# Altium PCB PCB_LU_V2.4PcbDoc.PcbDoc (part 2 of 3)
Units mm, origin at the board's own origin, x right, y up, seen from the top; angles counter-clockwise.
Board outline 123.01 x 87.99 mm, 2 copper layers (Top Layer, Bottom Layer); 238 components, 147 nets, 677 pads, 1111 vias.
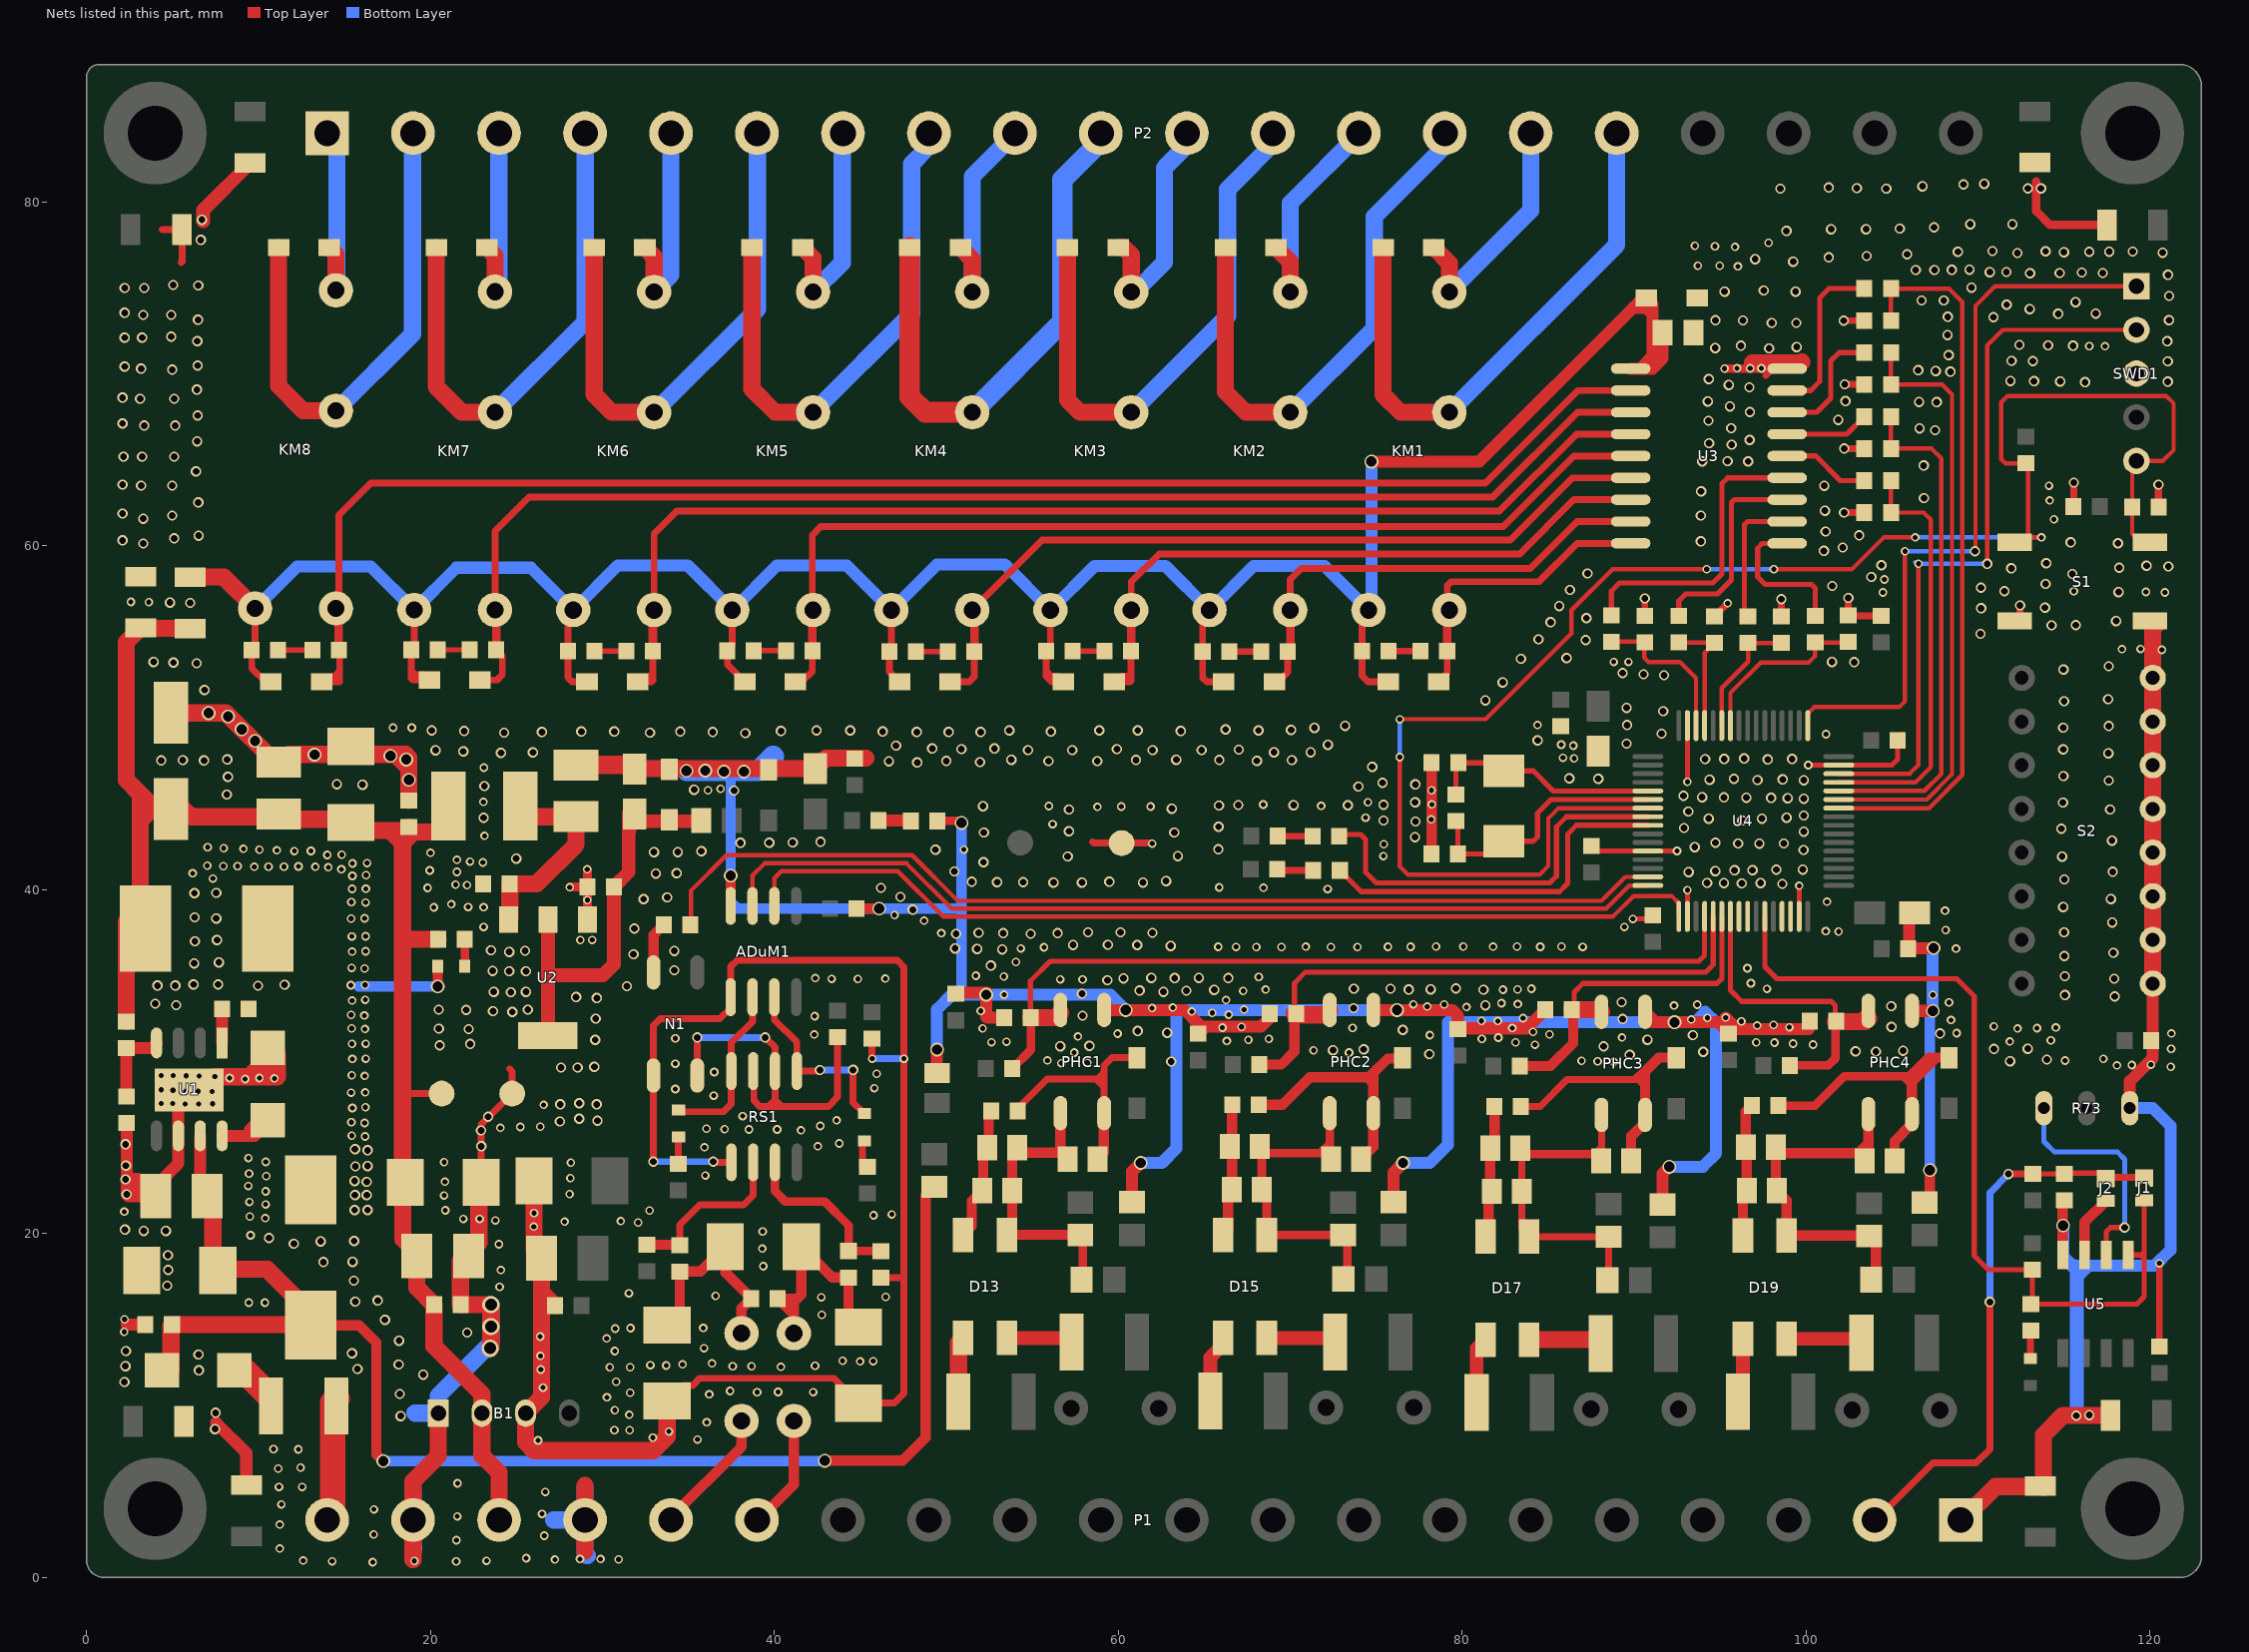
[diagram p2: the nets of this part, all layers, seen from the top]

## Via types
v1: diameter 0.6, hole 0.4, Top Layer to Bottom Layer, 594 vias
v2: diameter 0.5, hole 0.3, Top Layer to Bottom Layer, 446 vias
v3: diameter 0.8, hole 0.6, Top Layer to Bottom Layer, 68 vias
v4: diameter 1, hole 0.7, Top Layer to Bottom Layer, 3 vias

## Nets (pads, with @x,y where several pads share a name; then routed paths per layer and width w, separated by ;. In a path a pad name is that pad's centre, name@x,y a point inside that pad or via, vN(x,y) a via of type N, cw(c..) or ccw(c..) an arc to the next point about the centre after c; other vN are vias at no path point) (continued)
GNDIN: ADuM1.4 B1.1 C2.1 C3.1 C4.1 C5.1 C6.2 C8.1 C10.1 C11.1 C12.2 C16.2 C17.2 C18.2 C22.2 C25.2 C27.2 C30.2 C32.1 C33.1 C34.1 C35.1 C36.1 C37.1 C38.1 C39.1 C40.1 C41.1 C42.1 C43.1 C44.1 D2.1 D3.1 D4.K D5.1 D6.1 D7.1 D8.1 D10.K D27.1 E1.2 E2.2 E3.2 E4.2 E5.2 E6.2 E7.2 E9.2 E10.2 E11.2 EC1.2 EC2.2 EC3.2 EC4.2 ER1.2 ER2.2 ER3.2 ER4.2 GNDIN1.1 P1.1 P1.17 P1.19 PHC1.3 PHC2.3 PHC3.3 PHC4.3 R3.2 R16.1 R25.1 R32.1 R39.1 R42.2 R45.2 R47.2 R50.2 R53.2 R55.2 R58.2 R61.2 R66.1 R69.1 R73.1 S1.1 S1.4 S2.9 S2.10 S2.11 S2.12 S2.13 S2.14 S2.15 S2.16 SWD1.3 U1.6 U1.9 U2.1 U3.9 U4.12 U4.18 U4.31 U4.47 U4.63 U5.4 VSS1.1 | length 463.6
  Top Layer w0.3: C43.1@87.51,42.632 87.894,42.248 U4.12@90.81,42.248 92.494,42.248 v2(92.504,42.258) ; v2(89.934,38.302) 91.024,38.302 91.252,38.53 C37.1@91.286,38.496 ; U4.18@93.11,38.448 v2(93.11,39.982) ; v2(93.11,46.276) U4.63@93.11,49.548 ; U4.31@99.61,38.448 v2(99.61,40.23) ; v2(100.142,47.248) U4.47@101.91,47.248 105.002,47.248 105.336,47.582 C39.1@105.336,48.684 ; C39.1@105.54,48.984 C39.1@105.592,49.036
  Top Layer w0.4: 4.408,78.402 4.422,78.388 ER3.2@5.56,78.388 5.56,76.522 5.51,76.472 ; D8.1@22.964,22.984 22.964,26.346 GNDIN1.1@24.764,28.146 24.764,29.434 24.61,29.588 ; 58.516,42.78 58.584,42.712 VSS1.1@60.208,42.712 v2@61.964,42.712 ; R50.2@90.636,55.934 v1(90.636,56.948) ; R47.2@94.686,55.896 v2(95.45,56.66) ; 97.663,69.907 98.062,70.306 U3.9@98.912,70.306 ; R45.2@98.57,55.896 v1(98.57,56.9) ; v1(102.204,73.1) R61.2@103.404,73.1 ; v1(102.22,61.938) R53.2@103.404,61.938 ; v1(102.225,65.659) R55.2@103.404,65.659 ; v1(102.254,69.394) 103.389,69.394 R58.2@103.404,69.379 ; v1(102.472,56.976) R42.2@102.472,55.952 102.49,55.934 R66.1@104.388,55.934 ; v1(112.454,56.542) 112.454,55.527 S1.4@112.551,55.43 ; C38.1@115.58,62.43 v1(115.58,63.676) ; C12.2@120.558,13.434 v2(120.558,18.272)
  Top Layer w0.43: C36.1@120.506,62.332 v1(120.506,63.558)
  Top Layer w0.5: v2@28.132,40.168 C4.1@29.14,40.168 v2@29.14,41.168 ; E9.2@28.69,47.038 E9.2@28.714,47.3 ; U2.1@29.142,38.269 C4.1@29.142,40.166 ; 31.102,47.3 E5.2@31.326,47.248 ; D10.K@49.48,44.008 v3@50.772,44.008 ; v2(95.27,70.306) U3.9@98.062,70.306 ; 113.4,81.178 113.4,79.466 114.206,78.66 ER2.2@117.502,78.66
  Top Layer w0.6: v3(20.43,34.38) 20.433,34.383 D4.K@20.433,35.551 ; E9.2@28.69,47.038 31.078,47.038 ; E5.2@31.326,47.248 E5.2@31.536,47.038 ; ADuM1.4@37.469,39.06 v3(37.469,40.825) ; C10.1@44.774,38.902 v3(46.11,38.902) ; C35.1@78.218,42.089 78.238,42.109 C34.1@78.238,47.384 ; R39.1@106.908,21.814 107.216,22.122 v3(107.216,23.696) ; U5.4@114.934,18.756 114.934,21.848 C44.1@115.036,21.95
  Top Layer w0.7: v1@2.338,23.688 v1@2.338,23.386 ; R3.2@2.338,26.444 v1@2.338,23.386 ; 2.35,14.716 C3.1@3.436,14.716 ; U1.9@5.985,28.358 5.35,27.723 U1.6@5.35,25.691 5.35,24.084 4.028,22.762 E3.2@4.028,22.182 ; 7.534,9.016 9.302,7.248 EC2.2@9.302,5.37 ; C11.1@49.468,29.349 v3(49.468,30.702) ; C40.1@50.568,34.002 v3@52.394,34.002 ; v3(52.328,33.898) 52.328,32.596 52.368,32.556 C16.2@53.364,32.556 ; PHC1.3@59.188,33.004 v3(60.446,33.004) 63.862,33.004 64.654,32.212 C27.2@64.654,31.62 65.072,32.038 68.312,32.038 68.82,32.546 C18.2@68.82,32.804 ; R16.1@60.818,21.826 60.818,23.62 v3(61.312,24.114) ; PHC2.3@74.849,33.004 v3(76.22,33.004) 79.44,33.004 79.758,32.686 C22.2@79.758,31.892 ; R25.1@76.024,21.83 76.024,23.568 v3(76.57,24.114) ; C22.2@79.802,31.936 83.768,31.936 C25.2@84.854,33.022 ; R32.1@91.656,21.69 91.656,23.488 v3(92.056,23.888) ; 94.89,32.304 92.37,32.304 v3(92.36,32.294) 91.236,32.294 ; 95.028,32.166 C17.2@95.536,31.658 ; v2(95.334,32.566) 96,31.9 C30.2@100.176,31.9 ; E11.2@105.99,38.332 105.99,36.608 v3(107.428,36.608) ; PHC4.3@106.171,32.954 v3(107.378,32.954) ; R73.1@118.838,27.296 118.838,28.87 120.174,30.206 S2.9@120.174,34.542 ; 2.338,22.822 2.978,22.182 ; 2.338,22.822 v1(2.338,22.286) 2.442,22.182 2.978,22.182 ; 2.338,22.822 E3.2@3.388,22.822 ; 2.338,22.822 v1@2.338,23.386 ; v1@2.338,23.386 2.534,23.19 3.02,23.19 E3.2@3.388,22.822 ; 2.978,22.182 E3.2@4.028,22.182 ; E3.2@3.388,22.822 E3.2@4.028,22.182 ; 91.236,32.294 90.652,32.294 PHC3.3@90.652,32.904 91.236,32.32 91.236,32.294
  Top Layer w0.8: v1@6.783,78.895 6.783,79.523 EC3.2@9.53,82.27
  Top Layer w1: E2.2@4.916,50.286 8.112,50.286 11.15,47.248 11.77,47.868 v3@17.968,47.868 ; U1.9@5.985,28.358 6.706,28.358 v2(7.476,29.128) 11.114,29.128 11.114,30.45 10.73,30.834 10.73,30.378 9.48,29.128 ; C2.1@18.752,45.192 18.752,47.084 ; v2@19,1.034 P1.19@19,3.35 19,5.596 20.462,7.058 B1.1@20.462,9.56 ; D8.1@22.822,23.092 22.822,19.476 21.756,18.41 C6.2@21.756,15.864 v4(23.526,15.864) 23.526,13.39 v4(23.474,13.338) ; E9.2@28.714,47.3 31.102,47.3 ; 29,1.526 P1.17@29,3.35 29,5.354 ; E5.2@31.536,47.038 E6.2@42.396,47.038 43.01,47.652 45.322,47.652 ; 96.892,70.648 99.722,70.648 99.756,70.682 ; P1.1@109.042,3.308 111.03,5.296 EC1.2@113.704,5.296 ; EC1.2@113.816,5.236 113.816,8.292 114.958,9.434 ER1.2@117.714,9.434 ; S2.9@120.174,34.542 S2.10@120.174,37.082 S2.11@120.174,39.622 S2.12@120.174,42.162 S2.13@120.174,44.702 S2.14@120.174,47.242 S2.15@120.174,49.782 S2.16@120.174,52.322 120.174,55.179 S1.1@120.425,55.43 ; v3@17.968,47.868 18.752,47.084 ; v3@17.968,47.868 18.572,47.868 18.752,47.688 18.752,47.084
  Bottom Layer w0.6: 15.838,34.38 v3(20.43,34.38) ; v3(34.896,46.91) 37.242,46.91 37.469,47.137 v3(37.469,40.825) 37.469,39.325 37.892,38.902 v3(46.11,38.902) 50.892,38.902 ; 50.892,33.932 50.892,38.902 ; v3(50.892,43.888) 50.892,38.902 ; v3(107.216,23.696) v3@107.216,32.792
  Bottom Layer w0.7: v3(49.468,30.702) 49.468,33.04 50.326,33.898 v3(52.328,33.898) 59.552,33.898 v3(60.446,33.004) 63.394,33.004 ; v3(61.312,24.114) 62.546,24.114 63.394,24.962 63.394,33.004 ; v3(76.57,24.114) 78.122,24.114 79.172,25.164 79.172,32.304 v3@92.162,32.304 ; 79.172,33.004 v3(76.22,33.004) 63.394,33.004 ; v3(92.056,23.888) 94.002,23.888 94.774,24.66 94.774,32.268 94.138,32.904 93.528,32.294 v3(92.36,32.294) ; v3(107.378,32.954) 107.378,36.558 v3(107.428,36.608) ; v3(114.96,20.472) 114.96,18.69 115.518,18.132 116.372,18.132 120.288,18.132 121.2,19.044 121.2,26.272 120.176,27.296 R73.1@118.838,27.296
  Bottom Layer w0.8: 115.518,18.132 115.76,17.89 115.76,17.52 ; 116.372,18.132 115.76,17.52 ; v1(116.478,9.448) 115.76,9.448 115.76,17.52
  Bottom Layer w1: 19.016,5.014 19,4.998 P1.19@19,3.35 19,1.698 19.04,1.658 ; 19.118,9.576 19.134,9.56 B1.1@20.462,9.56 20.462,10.566 23.526,13.63 v4(23.526,15.864) ; 27.178,3.358 27.186,3.35 P1.17@29,3.35 ; 29,5.236 P1.17@29,3.35 ; 29.122,1.27 29,1.392 P1.17@29,3.35
  Bottom Layer w1.2: v3(34.896,46.91) 39.068,46.91 39.938,47.78 39.964,47.754
  other v1: 7.478,8.638 18.278,9.388 115.726,9.414 7.516,9.58 18.228,10.676 2.214,11.374 19.59,11.798 6.546,12.048 15.766,12.124 2.27,12.292 18.162,12.39 6.518,12.964 15.45,13.044 2.3,13.168 18.18,13.776 22.146,14.246 17.364,14.984 15.634,16.044 16.94,16.11 4.698,16.97 15.552,17.268 4.756,17.888 13.79,18.346 15.486,18.362 4.742,18.746 12.062,19.408 13.626,19.552 15.568,19.57 10.624,19.746 3.332,20.156 4.62,20.156 2.242,20.234 15.602,21.374 16.352,21.374 15.624,22.242 16.306,22.242 16.306,23.016 15.602,23.062 2.276,23.156 15.648,23.908 16.352,23.93 2.3,23.954 16.352,24.846 15.624,24.916 22.966,25.08 2.276,25.198 22.948,26.004 27.534,26.524 29.72,26.57 28.66,26.682 23.36,26.8 27.556,27.516 29.676,27.516 28.66,27.584 27.602,29.658 28.57,29.658 29.54,29.704 63.086,30.01 111.872,30.03 114.018,30.126 89.756,30.4 78.1,30.438 94.03,30.576 104.07,30.586 102.89,30.604 105.656,30.638 72.5,30.664 74.284,30.718 110.936,30.74 112.904,30.756 88.236,30.892 56.636,30.898 58.334,30.922 20.548,30.948 22.324,31.034 29.592,31.268 90.786,31.274 93.426,31.546 107.804,31.638 62.854,31.68 61.144,31.786 76.556,31.848 22.236,31.898 20.498,31.922 104.976,32.026 89.346,32.48 29.622,32.5 57.932,32.68 24.772,32.894 23.646,32.94 20.486,33.022 22.086,33.01 25.674,33.03 73.694,33.116 104.964,33.226 81.36,33.278 5.224,33.284 4.002,33.376 89.286,33.458 29.682,33.702 28.48,33.762 117.964,33.798 115.068,33.876 57.9,33.952 23.69,34.066 24.682,34.044 25.56,34.066 62.634,34.062 61.25,34.136 63.968,34.132 65.59,34.178 81.254,34.188 76.906,34.196 78.178,34.208 73.712,34.246 75.842,34.242 79.648,34.258 31.436,34.386 9.982,34.416 4.132,34.43 5.176,34.424 6.23,34.492 7.658,34.492 11.528,34.478 59.376,34.742 117.93,34.83 60.314,34.848 61.93,34.874 63.292,34.862 64.694,34.874 66.408,34.862 115.062,34.974 24.592,35.26 25.56,35.26 23.622,35.282 34.194,35.318 52.6,35.586 6.266,35.716 7.704,35.778 115.03,36.144 31.818,36.25 117.882,36.336 24.592,36.388 25.516,36.454 34.194,36.442 23.532,36.478 53.26,36.53 51.804,36.558 50.518,36.586 63.06,36.732 61.116,36.782 57.382,36.792 59.406,36.802 6.312,37.002 7.596,37.078 50.576,37.442 54.916,37.442 53.316,37.472 56.486,37.472 51.89,37.5 61.998,37.5 115.014,37.522 58.256,37.528 60.142,37.528 31.87,37.744 117.818,38.098 7.55,38.332 6.296,38.394 48.056,38.838 114.966,38.996 32.406,39.456 117.738,39.46 33.774,39.56 47.34,39.586 6.28,39.802 7.55,39.816 46.206,40.112 98.63,40.342 95.234,40.39 96.268,40.37 97.37,40.39 94.254,40.4 56.24,40.422 57.898,40.422 61.444,40.422 51.492,40.464 52.964,40.444 54.478,40.444 59.494,40.464 62.792,40.506 115.03,40.598 33.116,40.944 34.328,40.962 93.182,41.03 117.85,41.048 50.476,41.066 94.734,41.086 95.854,41.134 96.898,41.142 98.282,41.17 99.818,41.176 52.176,41.604 24.996,41.812 57.07,41.936 114.902,41.928 63.476,41.956 33.012,42.19 34.396,42.19 35.764,42.242 99.864,42.31 49.378,42.33 65.826,42.354 93.536,42.478 96.058,42.692 97.296,42.684 98.72,42.692 38.038,42.726 39.712,42.738 41.078,42.752 94.736,42.738 42.7,42.79 117.802,42.858 77.264,43.06 52.198,43.326 63.268,43.326 99.874,43.382 57.142,43.406 114.854,43.546 92.912,43.596 65.846,43.662 77.294,43.968 96.3,44.024 75.44,44.03 94.346,44.134 97.444,44.134 23.106,44.188 98.878,44.19 99.874,44.32 93.164,44.552 57.142,44.67 117.69,44.668 63.122,44.714 52.142,44.862 65.866,44.9 73.364,44.91 66.994,44.93 70.204,44.92 75.434,44.94 77.276,45.088 114.95,45.07 99.874,45.298 97.974,45.344 98.942,45.326 96.542,45.354 93.964,45.382 95.23,45.372 92.884,45.466 8.172,45.538 37.668,45.766 35.344,45.816 73.978,46 23.148,46.026 16.056,46.106 77.288,46.124 14.57,46.136 75.384,46.218 117.61,46.352 97.184,46.378 99.882,46.368 94.402,46.396 98.654,46.414 87.924,46.452 95.816,46.452 86.244,46.48 8.232,46.568 114.982,46.608 74.78,47.148 48.32,47.404 51.968,47.426 46.674,47.472 50.014,47.488 55.956,47.48 58.788,47.48 68.07,47.496 4.356,47.518 6.838,47.518 5.608,47.538 61.042,47.55 65.892,47.55 70.108,47.542 8.192,47.578 53.792,47.558 63.382,47.558 97.78,47.578 94.14,47.596 95.248,47.606 99.194,47.606 96.412,47.634 24.114,47.958 117.594,47.938 25.97,47.988 69.066,47.994 71.204,47.994 21.922,48.05 20.308,48.11 54.762,48.118 57.332,48.118 62.006,48.118 64.856,48.118 67.024,48.15 114.966,48.162 50.89,48.18 59.932,48.18 49.188,48.212 52.81,48.212 47.09,48.38 72.204,48.428 89.576,48.494 84.4,48.688 91.604,49.076 38.32,49.11 24.292,49.14 32.778,49.14 26.492,49.172 36.43,49.172 48.29,49.172 50.148,49.172 52.006,49.172 28.782,49.202 30.702,49.202 34.542,49.202 46.308,49.202 56.092,49.202 21.97,49.234 40.394,49.234 63.648,49.234 20.082,49.264 42.468,49.264 44.42,49.264 53.678,49.264 58.91,49.264 61.14,49.264 68.168,49.264 70.058,49.296 66.248,49.326 71.42,49.416 114.966,49.428 73.206,49.536 117.61,49.524 89.604,49.576 91.702,50.382 89.576,50.576 115.014,50.966 81.362,51.016 117.578,51.078 6.868,51.616 82.364,52.058 91.746,52.474 90.558,52.534 89.34,52.602 114.982,52.808 117.61,53 6.414,53.172 5.062,53.212 102.812,53.234 3.91,53.252 101.518,53.25 83.426,53.434 86.08,53.472 87.194,54.52 84.448,54.56 110.158,54.88 114.292,55.372 115.694,55.392 85.156,55.56 118.038,55.632 87.234,55.794 110.188,56.368 113.904,56.406 85.656,56.498 6.032,56.686 4.86,56.706 118.184,57.31 111.542,57.366 86.278,57.44 110.178,57.568 101.532,57.672 113.942,57.79 103.806,58.19 115.49,58.368 87.3,58.396 111.948,58.694 118.222,58.73 121.082,58.804 119.808,58.842 104.394,58.872 113.978,58.99 101.046,59.708 102.142,59.906 3.304,60.136 118.148,60.152 115.398,60.206 93.89,60.26 2.1,60.318 5.108,60.438 6.528,60.592 103.104,60.608 101.144,60.838 3.304,61.58 4.988,61.762 93.89,61.766 2.1,61.882 101.104,62.044 6.51,62.526 106.862,62.78 93.906,63.168 3.184,63.506 4.988,63.506 101.066,63.498 2.1,63.566 6.376,64.332 106.852,64.676 93.974,64.914 96.644,64.914 95.446,64.93 2.16,65.19 3.244,65.19 5.108,65.19 95.686,65.888 94.368,65.974 6.44,66.08 96.73,66.162 107.512,66.724 106.614,66.834 95.652,66.846 3.364,66.994 5.168,66.994 2.1,67.116 94.334,67.274 101.878,67.326 6.47,67.58 96.746,67.788 95.584,68.112 106.584,68.372 107.608,68.36 94.3,68.404 102.302,68.418 3.124,68.558 5.108,68.558 2.1,68.62 6.43,69.082 96.712,69.224 95.514,69.362 116.234,69.522 121.046,69.55 113.27,69.576 114.792,69.562 111.896,69.59 94.352,69.704 108.406,70.132 107.546,70.172 106.532,70.214 4.988,70.244 3.184,70.304 2.222,70.424 6.47,70.484 121.046,70.732 111.964,70.76 113.202,70.746 108.302,71.094 97.858,71.484 94.724,71.51 99.466,71.568 96.216,71.638 114.086,71.656 115.54,71.642 112.418,71.69 6.45,71.904 121.018,71.902 2.222,72.108 3.244,72.108 4.928,72.168 108.24,72.264 98.012,72.968 99.438,72.968 94.744,73.12 96.338,73.11 121.114,73.124 6.49,73.148 110.908,73.298 108.25,73.32 3.304,73.432 4.928,73.432 114.672,73.498 116.854,73.512 2.222,73.552 113.016,73.77 111.676,74.028 115.686,74.18 106.728,74.272 108.022,74.272 121.128,74.538 95.27,74.784 99.402,74.784 97.55,74.856 2.222,74.996 3.364,74.996 109.628,75.018 6.51,75.142 5.048,75.176 121.06,75.762 113.034,75.856 114.762,75.868 117.268,75.868 116.046,75.898 110.694,75.918 111.666,75.93 106.386,76.044 107.474,76.044 108.484,76.052 109.514,76.064 99.26,76.53 97.05,76.674 101.326,76.78 103.534,76.852 105.886,76.958 112.298,77.026 120.746,77.048 115.012,77.078 108.842,77.1 116.482,77.1 117.64,77.11 119.008,77.12 113.944,77.13 110.85,77.15 6.654,77.794 98.868,78.312 101.468,78.418 103.498,78.418 105.458,78.454 107.454,78.526 109.556,78.704 112.014,78.704 6.716,78.968 98.512,80.77 104.674,80.77 112.908,80.792 113.676,80.792 102.964,80.806 101.326,80.842 106.776,80.912 109.164,81.02 110.374,81.056
  other v2: 16.654,0.892 21.504,0.934 14.29,0.948 19.072,0.962 12.608,0.988 23.27,0.974 27.246,1.044 28.706,1.072 29.9,1.072 30.958,1.058 25.578,1.128 11.246,1.684 21.518,2.17 26.634,2.434 16.708,2.504 11.246,3.074 21.574,3.56 26.496,3.7 16.722,3.964 11.344,4.256 26.69,4.978 11.204,5.27 12.552,5.27 21.588,5.478 11.162,6.34 12.456,6.396 10.884,7.466 12.33,7.452 2.196,14.29 2.216,15.012 9.446,15.99 10.38,15.99 24.032,16.904 24.1,17.88 23.986,19.382 9.55,19.904 23.782,20.768 21.918,20.858 22.872,20.858 10.4,20.9 9.504,20.994 2.206,21.276 20.872,21.358 10.422,21.696 9.486,21.846 20.804,22.222 10.422,22.46 9.418,22.776 20.85,23.018 10.466,23.346 9.458,23.492 20.804,24.154 10.432,24.176 9.428,24.396 16.214,25.656 15.432,25.692 24.08,26.154 25.24,26.206 26.402,26.222 16.176,26.44 15.408,26.476 15.468,27.306 16.23,27.352 26.59,27.486 6.534,27.534 4.35,27.564 5.028,27.564 5.75,27.544 7.344,27.554 15.392,28.204 16.216,28.214 7.314,28.272 5.78,28.302 6.504,28.278 5.032,28.338 4.35,28.368 9.232,28.988 10.932,29.026 8.326,29.05 10.064,29.05 6.56,29.164 5.796,29.178 16.186,29.174 4.354,29.196 5.048,29.194 15.432,29.212 121.222,29.698 118.094,29.78 118.952,29.804 120.062,29.828 56.704,29.912 58.212,29.936 88.82,29.996 87.892,30.022 86.956,30.046 55.884,30.074 115.076,30.068 15.468,30.156 16.246,30.174 117.302,30.164 57.446,30.528 73.438,30.528 71.366,30.662 121.242,30.744 84.244,30.986 100.414,30.992 15.448,31.04 16.246,31.046 99.258,31.052 98.174,31.112 52.642,31.13 83.114,31.128 97.116,31.128 53.508,31.164 111.86,31.174 66.322,31.204 114.246,31.24 67.578,31.27 68.77,31.332 81.158,31.332 82.116,31.398 89.304,31.404 57.666,31.466 78.132,31.546 85.092,31.592 59.974,31.63 121.26,31.636 108.766,31.662 84.128,31.734 16.204,31.902 112.31,31.93 15.422,31.938 52.126,31.942 82.928,31.96 113.44,31.95 66.066,31.98 73.636,31.964 99.044,32.002 114.538,31.988 67.18,32.022 110.928,32.054 97.166,32.106 98.124,32.142 82.086,32.362 96.248,32.347 81.136,32.368 108.444,32.426 93.334,32.452 83.546,32.532 94.268,32.546 16.166,32.686 15.398,32.722 66.434,32.736 65.478,32.834 64.284,32.914 52.012,32.956 67.326,33.034 61.978,33.122 63.182,33.146 77.982,33.204 80.264,33.18 92.332,33.266 93.678,33.314 77.174,33.338 78.966,33.332 83.246,33.35 82.294,33.402 108.326,33.444 15.458,33.552 16.22,33.598 66.276,33.586 107.386,33.88 53.37,33.898 67.274,34.114 68.582,34.194 82.382,34.19 83.232,34.206 84.038,34.244 97.736,34.238 15.382,34.45 16.206,34.46 96.8,34.566 56.634,34.79 57.932,34.786 68.178,34.926 53.354,34.952 51.73,34.998 16.176,35.42 96.596,35.436 15.422,35.458 54.06,35.798 15.458,36.402 16.236,36.42 108.732,36.572 54.34,36.592 55.696,36.656 65.822,36.682 66.86,36.674 68.04,36.666 69.5,36.666 72.374,36.666 73.92,36.666 75.694,36.682 77.014,36.682 84.55,36.682 87.018,36.674 70.914,36.688 78.49,36.696 80.076,36.696 81.808,36.688 83.206,36.696 85.784,36.696 28.73,37.074 29.418,37.084 15.438,37.286 16.236,37.292 49.72,37.474 101.906,37.564 101.158,37.59 108.126,37.656 23.104,37.838 89.44,37.84 48.714,38.2 15.392,38.32 16.176,38.34 46.998,38.524 108.094,38.78 20.208,38.974 23.104,38.984 22.206,39.002 21.222,39.156 16.236,39.262 15.412,39.28 101.228,39.3 29.134,39.396 15.452,40.05 16.254,40.056 72.184,40.046 19.846,40.11 65.88,40.138 68.454,40.114 28.108,40.144 22.138,40.268 21.468,40.296 7.356,40.652 15.468,40.806 16.264,40.848 6.178,40.958 21.55,41.04 19.97,41.124 14.828,41.192 29.122,41.186 9.764,41.332 13.316,41.332 14.068,41.308 10.592,41.344 11.492,41.344 12.332,41.356 7.964,41.368 8.792,41.368 7.028,41.404 15.476,41.528 16.33,41.556 23.056,41.586 22.31,41.642 21.554,41.74 75.432,41.958 14.012,42.026 14.852,42.034 20.008,42.146 12.096,42.248 13.062,42.256 11.082,42.29 10.066,42.33 51.034,42.34 9.134,42.38 7.986,42.414 7.054,42.474 75.448,42.652 61.988,42.688 23.154,43.136 56.19,43.818 78.208,44.092 74.392,44.192 58.8,44.816 60.186,44.842 61.89,44.842 55.976,44.87 71.812,44.876 68.44,44.956 78.248,44.96 74.534,45.088 23.09,45.108 36.15,45.78 78.228,45.786 36.882,45.874 23.122,47.102 86.522,47.64 85.868,47.676 86.472,48.38 85.768,48.438 101.168,49.05 17.83,49.424 18.926,49.424 84.39,49.576 88.828,53.254 89.682,53.254 120.702,53.952 118.382,53.988 119.462,54.006 3.632,56.722 2.588,56.738 104.48,57.29 120.876,57.29 119.78,57.318 115.58,57.36 104.568,58.044 114.428,61.546 114.18,62.64 114.138,63.496 95.992,70.332 96.754,70.322 97.408,70.322 117.396,71.606 116.484,71.618 96.048,76.252 93.718,76.286 94.986,76.286 95.878,77.384 94.712,77.418 93.546,77.452 97.832,77.624
  other v3: 18.754,46.398 37.076,46.87 38.238,46.87 35.986,46.926 18.602,47.576 17.68,47.786 13.27,47.862 9.812,48.66 9.032,49.334 8.244,50.084 7.112,50.274
  other v4: 23.528,14.592
GNDISO: ADuM1.5 B1.3 C7.2 C9.1 D9.1 E8.2 N1.3 R9.1 RS1.5 TVS1.2 TVS3.1 | length 102.2
  Top Layer w0.4: v1(32.972,24.19) 32.972,29.186 N1.3@32.982,29.196 32.982,32.092 33.384,32.494 36.84,32.494 37.469,33.123 ADuM1.5@37.469,33.752 37.469,35.537 37.836,35.904 47.152,35.904 47.554,35.502 47.554,31.334 ; TVS3.1@33.775,10.267 34.688,11.18 35.256,11.18 35.668,11.592 43.445,11.592 TVS1.2@44.895,10.142 46.98,10.142 47.548,10.71 47.548,17.432 R9.1@46.2,17.432 ; v1(36.454,24.19) 36.496,24.148 RS1.5@37.509,24.148 ; v2(45.696,30.176) C9.1@45.696,31.342 ; 47.546,31.342 47.554,31.334 ; 47.554,17.426 47.554,31.334
  Top Layer w1: D9.1@26.03,23.068 26.03,19.002 E8.2@26.466,18.566 26.466,16.594 ; C7.2@27.246,15.814 26.466,16.594 ; TVS3.1@33.775,10.267 33.775,8.193 32.966,7.384 26.02,7.384 25.542,7.862 B1.3@25.542,9.56 26.466,10.484 26.466,16.594
  Bottom Layer w0.4: v1(32.972,24.19) v1(36.454,24.19) ; v2(45.696,30.176) v2(47.544,30.176)
  other v2: 26.27,7.974 35.542,8.03 32.94,8.14 33.878,8.492 30.708,8.572 31.596,8.572 36.078,9.026 31.572,9.462 30.732,9.734 30.274,10.478 36.22,10.652 31.622,10.748 39.01,10.776 40.226,10.792 42.27,10.788 37.438,10.85 26.554,11.048 30.806,11.39 26.426,12.098 30.438,12.228 31.622,12.23 40.392,12.25 37.584,12.284 38.684,12.284 42.378,12.316 33.718,12.33 32.8,12.354 34.67,12.396 36.386,12.45 44.994,12.566 45.758,12.582 43.978,12.606 26.406,12.89 30.732,13.17 35.92,13.342 30.254,13.902 26.388,14.014 30.756,14.478 31.646,14.504 35.876,14.512 42.772,15.274 42.736,16.302 46.488,16.318 36.594,16.376 31.548,16.53 39.364,18.106 39.308,19.13 39.332,20.12 26.018,20.408 32.086,20.642 27.812,20.694 31.08,20.726 45.782,21.07 46.838,21.116 26.036,21.196 32.756,21.346 28.1,22.298 28.15,23.226 36,23.384 28.176,24.126 35.944,25.024 42.532,25.08 43.786,25.246 41.56,26.008 38.53,26.06 40.168,26.06 37.118,26.07 36.066,26.102 42.684,26.26 43.632,26.586 38.166,26.834 36.482,28.03 34.25,28.412 45.826,28.46 45.962,29.292 36.514,29.396 34.25,29.884 34.25,31.358 42.334,31.578 42.352,32.646 43.342,34.82 44.868,34.81 46.466,34.83 42.394,34.864